# Altium PCB 全兼容主控.PCBDOC (part 3 of 9)
Units mil, origin at the board's own origin, x right, y up, seen from the top; angles counter-clockwise.
Board outline 7562.36 x 15046.55 mil, 2 copper layers (TopLayer, BottomLayer); 375 components, 257 nets, 1094 pads, 839 vias.
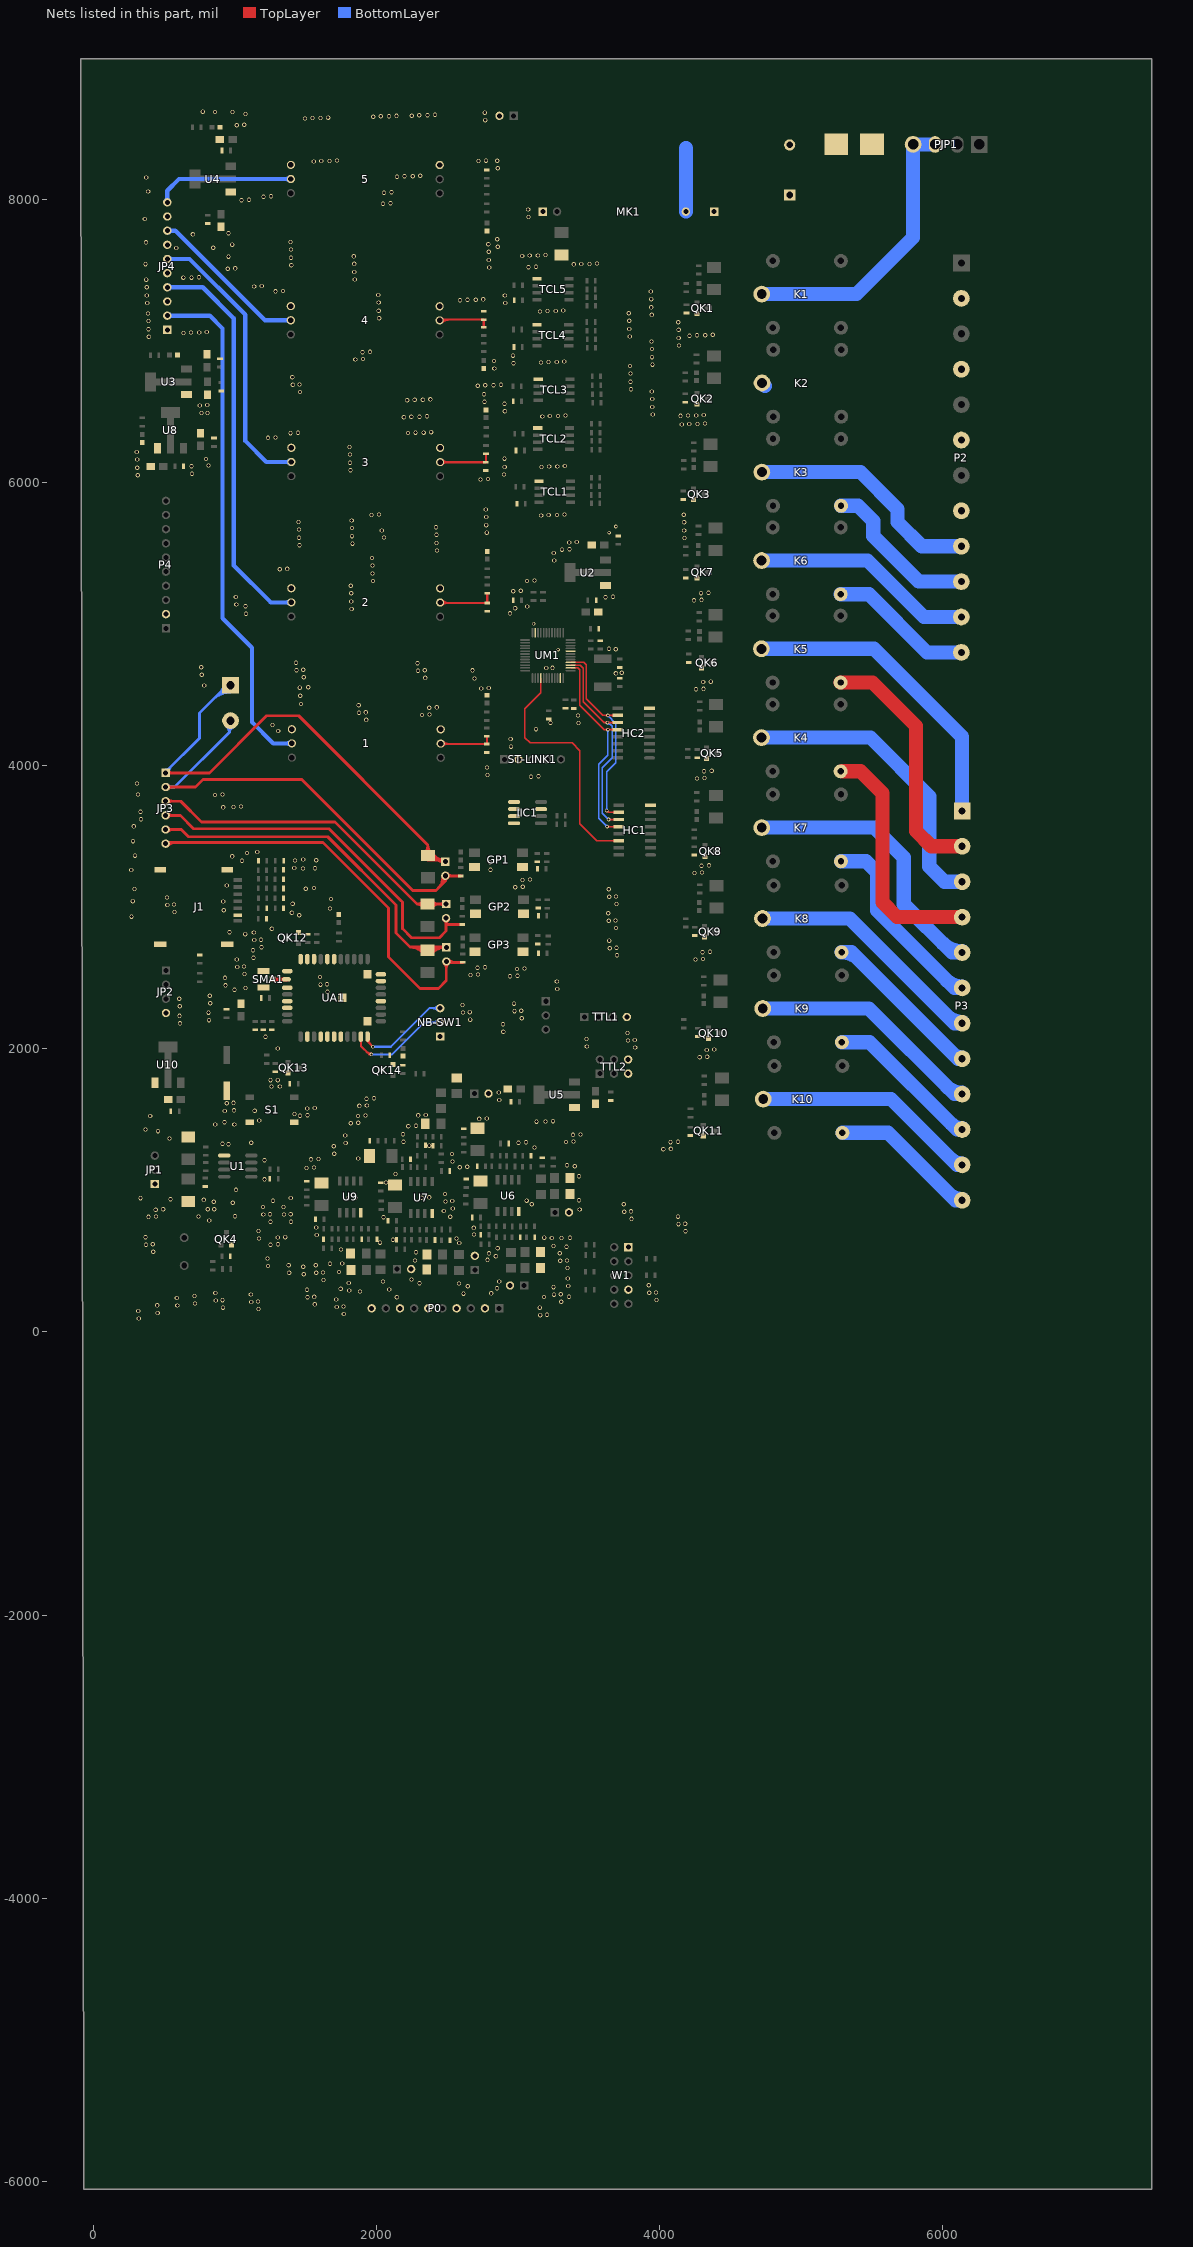
[diagram p3: the nets of this part, all layers, seen from the top]

## Via types
v1: diameter 30, hole 20, TopLayer to BottomLayer, 758 vias
v2: diameter 25, hole 15, TopLayer to BottomLayer, 81 vias

## Nets (pads, with @x,y where several pads share a name; then routed paths per layer and width w, separated by ;. In a path a pad name is that pad's centre, name@x,y a point inside that pad or via, vN(x,y) a via of type N, cw(c..) or ccw(c..) an arc to the next point about the centre after c; other vN are vias at no path point) (continued)
C\L\R\--: HC1.10 HC2.10 UM1.4 | length 2027.5
  TopLayer w10: UM1.4@3371.14,4728.67 3464.61,4728.67 3482.59,4710.69 3482.59,4470.79 3599.9,4353.48 HC2.10@3703.94,4353.48 ; v2(3626.93,3681.69) 3640.09,3668.53 HC1.10@3711.74,3668.53 ; 3616.51,4353.48 cw(c3616.51,4335.38) v2@3629.31,4348.18 ; 3616.51,4353.48 ccw(c3616.51,4371.59) v2@3629.31,4358.79 ; 3616.51,4353.48 cw(c3616.51,4335.38) v2@3629.31,4348.18 ; 3616.51,4353.48 ccw(c3616.51,4371.59) v2@3629.31,4358.79 ; 3616.51,4353.48 cw(c3616.51,4335.38) v2@3629.31,4348.18 ; 3616.51,4353.48 ccw(c3616.51,4371.59) v2@3629.31,4358.79 ; v2@3626.93,3674.19 cw(c3626.93,3656.08) 3639.74,3668.88 ; v2@3626.93,3674.19 cw(c3626.93,3656.08) 3639.74,3668.88 ; v2@3626.93,3674.19 cw(c3626.93,3656.08) 3639.74,3668.88 ; v2@3634.43,3681.69 ccw(c3652.54,3681.69) 3639.74,3668.88 ; v2@3634.43,3681.69 ccw(c3652.54,3681.69) 3639.74,3668.88 ; v2@3634.43,3681.69 ccw(c3652.54,3681.69) 3639.74,3668.88 ; v2@3639.92,4348.18 cw(c3652.72,4335.38) 3652.72,4353.48 ; v2@3639.92,4348.18 cw(c3652.72,4335.38) 3652.72,4353.48 ; v2@3639.92,4348.18 cw(c3652.72,4335.38) 3652.72,4353.48 ; v2@3639.92,4358.79 ccw(c3652.72,4371.59) 3652.72,4353.48 ; v2@3639.92,4358.79 ccw(c3652.72,4371.59) 3652.72,4353.48 ; v2@3639.92,4358.79 ccw(c3652.72,4371.59) 3652.72,4353.48 ; 3661.04,4353.48 cw(c3661.04,4336.58) HC2.10@3672.99,4348.53 ; 3661.04,4353.48 ccw(c3661.04,4370.38) HC2.10@3672.99,4358.43 ; 3661.04,4353.48 cw(c3661.04,4336.58) HC2.10@3672.99,4348.53 ; 3661.04,4353.48 ccw(c3661.04,4370.38) HC2.10@3672.99,4358.43 ; 3661.04,4353.48 cw(c3661.04,4336.58) HC2.10@3672.99,4348.53 ; 3661.04,4353.48 ccw(c3661.04,4370.38) HC2.10@3672.99,4358.43 ; 3668.84,3668.53 cw(c3668.84,3651.63) HC1.10@3680.79,3663.58 ; 3668.84,3668.53 ccw(c3668.84,3685.43) HC1.10@3680.79,3673.48 ; 3668.84,3668.53 cw(c3668.84,3651.63) HC1.10@3680.79,3663.58 ; 3668.84,3668.53 ccw(c3668.84,3685.43) HC1.10@3680.79,3673.48 ; 3668.84,3668.53 cw(c3668.84,3651.63) HC1.10@3680.79,3663.58 ; 3668.84,3668.53 ccw(c3668.84,3685.43) HC1.10@3680.79,3673.48
  BottomLayer w10: v2(3626.93,3681.69) 3626.93,3955.05 3692.09,4020.21 3692.09,4296 v2(3634.61,4353.48) ; v2@3621.63,3686.99 ccw(c3608.83,3699.79) 3626.93,3699.79 ; v2@3621.63,3686.99 ccw(c3608.83,3699.79) 3626.93,3699.79 ; v2@3621.63,3686.99 ccw(c3608.83,3699.79) 3626.93,3699.79 ; 3626.93,3699.79 ccw(c3645.04,3699.79) v2@3632.24,3686.99 ; 3626.93,3699.79 ccw(c3645.04,3699.79) v2@3632.24,3686.99 ; 3626.93,3699.79 ccw(c3645.04,3699.79) v2@3632.24,3686.99 ; v2@3634.61,4345.98 cw(c3634.61,4327.88) 3647.42,4340.68 ; v2@3634.61,4345.98 cw(c3634.61,4327.88) 3647.42,4340.68 ; v2@3634.61,4345.98 cw(c3634.61,4327.88) 3647.42,4340.68 ; v2@3642.11,4353.48 ccw(c3660.22,4353.48) 3647.42,4340.68 ; v2@3642.11,4353.48 ccw(c3660.22,4353.48) 3647.42,4340.68 ; v2@3642.11,4353.48 ccw(c3660.22,4353.48) 3647.42,4340.68
CE: UA1.7
CLK: HC1.11 HC2.11 UM1.3 | length 2033.1
  TopLayer w10: UM1.3@3371.14,4708.99 3440.1,4708.99 3460.61,4688.47 3460.61,4450.92 3608.05,4303.48 HC2.11@3703.94,4303.48 ; v2(3640.21,3618.53) HC1.11@3711.74,3618.53 ; 3613.98,4303.48 cw(c3613.98,4285.38) v2@3626.79,4298.18 ; 3613.98,4303.48 ccw(c3613.98,4321.59) v2@3626.79,4308.79 ; 3613.98,4303.48 cw(c3613.98,4285.38) v2@3626.79,4298.18 ; 3613.98,4303.48 ccw(c3613.98,4321.59) v2@3626.79,4308.79 ; 3613.98,4303.48 cw(c3613.98,4285.38) v2@3626.79,4298.18 ; 3613.98,4303.48 ccw(c3613.98,4321.59) v2@3626.79,4308.79 ; v2@3637.39,4298.18 cw(c3650.2,4285.38) 3650.2,4303.48 ; v2@3637.39,4298.18 cw(c3650.2,4285.38) 3650.2,4303.48 ; v2@3637.39,4298.18 cw(c3650.2,4285.38) 3650.2,4303.48 ; v2@3637.39,4308.79 ccw(c3650.2,4321.59) 3650.2,4303.48 ; v2@3637.39,4308.79 ccw(c3650.2,4321.59) 3650.2,4303.48 ; v2@3637.39,4308.79 ccw(c3650.2,4321.59) 3650.2,4303.48 ; v2@3645.51,3613.23 cw(c3658.31,3600.43) 3658.31,3618.53 ; v2@3645.51,3613.23 cw(c3658.31,3600.43) 3658.31,3618.53 ; v2@3645.51,3613.23 cw(c3658.31,3600.43) 3658.31,3618.53 ; v2@3645.51,3623.84 ccw(c3658.31,3636.64) 3658.31,3618.53 ; v2@3645.51,3623.84 ccw(c3658.31,3636.64) 3658.31,3618.53 ; v2@3645.51,3623.84 ccw(c3658.31,3636.64) 3658.31,3618.53 ; 3661.04,4303.48 cw(c3661.04,4286.58) HC2.11@3672.99,4298.53 ; 3661.04,4303.48 ccw(c3661.04,4320.38) HC2.11@3672.99,4308.43 ; 3661.04,4303.48 cw(c3661.04,4286.58) HC2.11@3672.99,4298.53 ; 3661.04,4303.48 ccw(c3661.04,4320.38) HC2.11@3672.99,4308.43 ; 3661.04,4303.48 cw(c3661.04,4286.58) HC2.11@3672.99,4298.53 ; 3661.04,4303.48 ccw(c3661.04,4320.38) HC2.11@3672.99,4308.43 ; 3668.84,3618.53 cw(c3668.84,3601.63) HC1.11@3680.79,3613.58 ; 3668.84,3618.53 ccw(c3668.84,3635.43) HC1.11@3680.79,3623.48 ; 3668.84,3618.53 cw(c3668.84,3601.63) HC1.11@3680.79,3613.58 ; 3668.84,3618.53 ccw(c3668.84,3635.43) HC1.11@3680.79,3623.48 ; 3668.84,3618.53 cw(c3668.84,3601.63) HC1.11@3680.79,3613.58 ; 3668.84,3618.53 ccw(c3668.84,3635.43) HC1.11@3680.79,3623.48
  BottomLayer w10: v2(3632.09,4303.48) 3637.19,4303.48 3664.84,4275.84 3664.84,4054.49 3594.66,3984.32 3594.66,3664.08 v2(3640.21,3618.53) ; 3627.4,3631.34 cw(c3614.6,3618.53) v2@3632.71,3618.53 ; 3627.4,3631.34 ccw(c3640.21,3644.14) v2@3640.21,3626.03 ; 3627.4,3631.34 cw(c3614.6,3618.53) v2@3632.71,3618.53 ; 3627.4,3631.34 ccw(c3640.21,3644.14) v2@3640.21,3626.03 ; 3627.4,3631.34 cw(c3614.6,3618.53) v2@3632.71,3618.53 ; 3627.4,3631.34 ccw(c3640.21,3644.14) v2@3640.21,3626.03 ; v2@3632.09,4295.98 cw(c3632.09,4265.56) 3653.6,4287.07 ; v2@3632.09,4295.98 cw(c3632.09,4265.56) 3653.6,4287.07 ; v2@3632.09,4295.98 cw(c3632.09,4265.56) 3653.6,4287.07
CSN: UA1.2
DATA_IN: HC1.14 UM1.40 | length 1814.4
  TopLayer w10: UM1.40@3161.49,4617.45 3161.49,4512.89 3049.17,4400.57 3049.17,4195.24 3085.54,4158.88 3382.62,4158.88 3435.77,4105.72 3435.77,3589.33 3556.57,3468.53 HC1.14@3711.74,3468.53 ; 3668.84,3468.53 cw(c3668.84,3451.63) HC1.14@3680.79,3463.58 ; 3668.84,3468.53 ccw(c3668.84,3485.43) HC1.14@3680.79,3473.48 ; 3668.84,3468.53 cw(c3668.84,3451.63) HC1.14@3680.79,3463.58 ; 3668.84,3468.53 ccw(c3668.84,3485.43) HC1.14@3680.79,3473.48 ; 3668.84,3468.53 cw(c3668.84,3451.63) HC1.14@3680.79,3463.58 ; 3668.84,3468.53 ccw(c3668.84,3485.43) HC1.14@3680.79,3473.48
gpio_5: UA1.28
HST_RXD: UA1.25
HST_TXD: UA1.26
I2C1_SCL2: UA1.30
I2C1_SDA2: UA1.29
IN+1: 1.2 JP4.2 | length 3962.9
  BottomLayer w30: JP4.2@523.13,7177.22 822.58,7177.22 913.89,7085.91 913.89,5039.68 1121.77,4831.81 1121.77,4305.97 1271.88,4155.86 1.2@1403.27,4155.86 ; JP4.2@533.4,7166.94 cw(c558.2,7142.14) 558.2,7177.22 ; JP4.2@533.4,7166.94 cw(c558.2,7142.14) 558.2,7177.22 ; JP4.2@533.4,7166.94 cw(c558.2,7142.14) 558.2,7177.22 ; JP4.2@533.4,7187.49 ccw(c558.2,7212.29) 558.2,7177.22 ; JP4.2@533.4,7187.49 ccw(c558.2,7212.29) 558.2,7177.22 ; JP4.2@533.4,7187.49 ccw(c558.2,7212.29) 558.2,7177.22 ; 1369.47,4155.86 cw(c1369.47,4122.06) 1.2@1393.37,4145.96 ; 1369.47,4155.86 ccw(c1369.47,4189.66) 1.2@1393.37,4165.76 ; 1369.47,4155.86 cw(c1369.47,4122.06) 1.2@1393.37,4145.96 ; 1369.47,4155.86 ccw(c1369.47,4189.66) 1.2@1393.37,4165.76 ; 1369.47,4155.86 cw(c1369.47,4122.06) 1.2@1393.37,4145.96 ; 1369.47,4155.86 ccw(c1369.47,4189.66) 1.2@1393.37,4165.76
IN+2: 2.2 JP4.4 | length 3144.4
  BottomLayer w30: JP4.4@523.13,7377.22 773.82,7377.22 993.05,7157.99 993.05,5413.31 1254.48,5151.88 2.2@1399.21,5151.88 ; JP4.4@533.4,7366.94 cw(c558.2,7342.14) 558.2,7377.22 ; JP4.4@533.4,7366.94 cw(c558.2,7342.14) 558.2,7377.22 ; JP4.4@533.4,7366.94 cw(c558.2,7342.14) 558.2,7377.22 ; JP4.4@533.4,7387.49 ccw(c558.2,7412.29) 558.2,7377.22 ; JP4.4@533.4,7387.49 ccw(c558.2,7412.29) 558.2,7377.22 ; JP4.4@533.4,7387.49 ccw(c558.2,7412.29) 558.2,7377.22 ; 1365.41,5151.88 cw(c1365.41,5118.08) 2.2@1389.31,5141.98 ; 1365.41,5151.87 ccw(c1365.41,5185.67) 2.2@1389.31,5161.77 ; 1365.41,5151.88 cw(c1365.41,5118.08) 2.2@1389.31,5141.98 ; 1365.41,5151.87 ccw(c1365.41,5185.67) 2.2@1389.31,5161.77 ; 1365.41,5151.88 cw(c1365.41,5118.08) 2.2@1389.31,5141.98 ; 1365.41,5151.87 ccw(c1365.41,5185.67) 2.2@1389.31,5161.77
IN+3: 3.2 JP4.6 | length 2316.9
  BottomLayer w30: JP4.6@523.13,7577.22 680.51,7577.22 1074.6,7183.13 1074.6,6291.19 1221.96,6143.82 3.2@1399.21,6143.82 ; JP4.6@533.4,7566.94 cw(c558.2,7542.14) 558.2,7577.22 ; JP4.6@533.4,7566.94 cw(c558.2,7542.14) 558.2,7577.22 ; JP4.6@533.4,7566.94 cw(c558.2,7542.14) 558.2,7577.22 ; JP4.6@533.4,7587.49 ccw(c558.2,7612.29) 558.2,7577.22 ; JP4.6@533.4,7587.49 ccw(c558.2,7612.29) 558.2,7577.22 ; JP4.6@533.4,7587.49 ccw(c558.2,7612.29) 558.2,7577.22 ; 1365.41,6143.82 cw(c1365.41,6110.02) 3.2@1389.31,6133.92 ; 1365.41,6143.82 ccw(c1365.41,6177.62) 3.2@1389.31,6153.72 ; 1365.41,6143.82 cw(c1365.41,6110.02) 3.2@1389.31,6133.92 ; 1365.41,6143.82 ccw(c1365.41,6177.62) 3.2@1389.31,6153.72 ; 1365.41,6143.82 cw(c1365.41,6110.02) 3.2@1389.31,6133.92 ; 1365.41,6143.82 ccw(c1365.41,6177.62) 3.2@1389.31,6153.72
IN+4: 4.2 JP4.8 | length 1459.1
  BottomLayer w30: JP4.8@523.13,7777.22 580.17,7777.22 1213.09,7144.3 4.2@1395.55,7144.3 ; JP4.8@533.4,7766.94 cw(c558.2,7742.14) 558.2,7777.22 ; JP4.8@533.4,7766.94 cw(c558.2,7742.14) 558.2,7777.22 ; JP4.8@533.4,7766.94 cw(c558.2,7742.14) 558.2,7777.22 ; JP4.8@533.4,7787.49 ccw(c558.2,7812.29) 558.2,7777.22 ; JP4.8@533.4,7787.49 ccw(c558.2,7812.29) 558.2,7777.22 ; JP4.8@533.4,7787.49 ccw(c558.2,7812.29) 558.2,7777.22 ; 1361.75,7144.3 cw(c1361.75,7110.5) 4.2@1385.65,7134.4 ; 1361.75,7144.3 ccw(c1361.75,7178.1) 4.2@1385.65,7154.2 ; 1361.75,7144.3 cw(c1361.75,7110.5) 4.2@1385.65,7134.4 ; 1361.75,7144.3 ccw(c1361.75,7178.1) 4.2@1385.65,7154.2 ; 1361.75,7144.3 cw(c1361.75,7110.5) 4.2@1385.65,7134.4 ; 1361.75,7144.3 ccw(c1361.75,7178.1) 4.2@1385.65,7154.2
IN+5: 5.2 JP4.10 | length 1313.8
  BottomLayer w30: JP4.10@523.13,7977.22 523.13,8059.41 605.65,8141.93 5.2@1395.98,8141.93 ; JP4.10@512.86,7987.49 ccw(c488.06,8012.29) 523.13,8012.29 ; JP4.10@512.86,7987.49 ccw(c488.06,8012.29) 523.13,8012.29 ; JP4.10@512.86,7987.49 ccw(c488.06,8012.29) 523.13,8012.29 ; 523.13,8012.29 ccw(c558.2,8012.29) JP4.10@533.4,7987.49 ; 523.13,8012.29 ccw(c558.2,8012.29) JP4.10@533.4,7987.49 ; 523.13,8012.29 ccw(c558.2,8012.29) JP4.10@533.4,7987.49 ; 1362.18,8141.93 cw(c1362.18,8108.13) 5.2@1386.08,8132.03 ; 1362.18,8141.93 ccw(c1362.18,8175.73) 5.2@1386.08,8151.83 ; 1362.18,8141.93 cw(c1362.18,8108.13) 5.2@1386.08,8132.03 ; 1362.18,8141.93 ccw(c1362.18,8175.73) 5.2@1386.08,8151.83 ; 1362.18,8141.93 cw(c1362.18,8108.13) 5.2@1386.08,8132.03 ; 1362.18,8141.93 ccw(c1362.18,8175.73) 5.2@1386.08,8151.83
IN-1: 1.1 1.4 2.1 2.4 3.1 3.4 4.1 4.4 5.1 5.4 C1.1 C2.1 C3.1 C4.1 C5.1 C6.2 C7.1 C8.2 C9.2 C10.2 CD1.1 CD2.1 CD3.1 CD4.2 CJ1.2 CJ2.1 CJ3.2 CJ4.1 CJ5.2 CJ6.1 CK1.1 CP1.2 CP2.1 CP3.2 CP4.2 CP5.1 CP6.1 CP7.2 CP8.1 CP9.2 CP10.1 CP11.2 CP12.1 CS1.2 Cu1.2 Cu2.1 Cu3.2 Cu4.1 Cu5.2 Cu6.1 Cu7.2 Cu8.2 Cu9.1 Cu10.2 CU11.2 CU12.2 CU13.2 CU14.2 Cu15.2 CU16.2 CU17.2 CU18.2 Cu19.2 CU20.2 Cu21.2 Cu22.2 Cu23.2 Cu24.2 Cu25.2 Cu26.2 Cu27.2 Cu28.1 Cu29.2 Cu30.1 CX1.1 CX2.1 CX3.1 CX4.1 CX5.1 CY1.1 CY2.1 CY3.1 CY4.1 CY5.1 D1.1 D2.1 D3.1 D4.1 D5.1 D6.2 D7.2 DL1.2 DL2.2 DL6.2 DL10.2 DL11.2 DL15.2 DL17.2 DL18.2 DZ1.1 GP1.2 GP1.3 GP2.2 GP2.3 GP3.2 GP3.3 HC1.8 HC2.8 IIC1.1 IIC1.2 IIC1.3 IIC1.4 IIC1.7 J1.2 JP1.1 JP2.4 JP4.1 JP4.3 JP4.5 JP4.7 JP4.9 MK1.4 NB-SW1.1 P0.2 P0.4 P0.6 P0.8 P0.10 P1.2 P4.2 PT2.2 PT3.2 PT4.2 PT5.2 PT6.2 QK1.3 QK2.3 QK3.3 QK4.3 QK5.3 QK6.3 QK7.3 QK8.3 QK9.3 QK10.3 QK11.3 QK12.3 QK13.3 QK14.3 R5.1 RE1.1 RE2.1 RE3.1 RE4.1 RE5.1 RE6.1 RE7.1 RE8.1 RE9.1 RE10.1 RI1.2 RI2.2 RI3.2 RI4.2 RI5.2 RI6.2 RI7.2 RI8.2 RI9.2 RI10.2 RI11.2 RI12.2 RI13.2 RI14.2 RL1.1 RL2.1 RL3.1 RL4.1 RL5.1 RN1.2 RN2.2 RN3.2 RN4.2 RN5.2 RU2.1 RZ2.1 S1.2 SMA1.1 ST-LINK1.2 TCL1.5 TCL2.5 TCL3.5 TCL4.5 TCL5.5 TTL1.4 TTL2.5 TTL2.6 TVS1.1 TVS2.1 U1.5 U2.1 U3.1 U4.1 U5.1 U6.4 U7.4 U8.1 U9.4 U10.1 UA1.15 UA1.31 UA1.33 UA1.35 UA1.36 UA1.39 UA1.40 UA1.41 UM1.8 UM1.23 UM1.47 VR1.2 VR2.2 VR3.2 VR4.2 VR5.2 W1.1 W1.7
  other v1: 321.18,94.49 3157.27,117.88 3204.73,120.75 1770.2,125.7 455.07,133.97 317.86,147.53 1167.42,161.32 916.71,170.91 3153.96,170.92 1719.42,175.88 1766.88,178.75 594.1,185.47 451.75,187.01 1564.7,194.2 719.41,200.91 1116.64,211.49 3305.41,212.63 1164.1,214.37 865.94,221.08 913.4,223.96 3977.55,225.64 1716.11,228.92 590.79,238.51 1513.93,244.37 2144.48,244.84 3183.69,246.91 1561.39,247.25 3360.02,247.78 716.09,253.96 3254.64,262.8 1113.33,264.54 3302.1,265.68 2615.47,269.75 2811.51,271.96 862.62,274.13 3926.78,275.81 3974.24,278.69 1884.58,285.76 1808.45,292.62 1510.61,297.42 2090.23,298.89 1747.4,304.8 2851.16,307.8 3251.32,315.85 2644.91,321.83 3354.45,323.51 3923.46,328.86 2582.64,341.08 2303.98,342.9 1805.13,345.66 2867.93,355.07 2047.46,356.25 1626.35,366.82 2247.94,368.87 3351.14,376.55 1486.69,406.9 1575.58,416.99 1383.7,417.19 1623.04,419.86 1736.29,421.83 3349.57,451.52 1483.37,459.94 1234.36,465.26 1572.26,470.03 1380.38,470.24 1671.8,480.51 1758.37,482.83 3298.8,501.69 2272.42,504.15 3346.25,504.57 2785.39,508.34 1231.05,518.3 2843.71,533.74 2794.79,554.25 3295.48,554.74 2279.91,562.16 423.53,565.46 1750.82,581.6 2856.37,590.24 3342.61,601.31 3251.22,605.53 1252.72,614.81 372.76,615.63 420.21,618.51 1305.76,618.12 2584.77,626.62 2024.61,630.02 2116.99,650.35 1170.85,659.22 2565.79,659.66 3239.27,662.47 3308.17,663.17 3366.51,664.58 1302.89,665.58 3185.14,665.28 369.44,668.68 1355.93,668.9 1578.84,684.06 2690.06,686.95 4183.81,710.4 1167.53,712.27 2687.44,734.53 1575.52,737.1 4133.04,760.57 4180.5,763.44 1252.35,777.81 1397.57,777.81 819.21,785.78 3800.9,797.92 2049.59,808.97 390.65,812.05 2522.05,812.88 742.99,813.86 4129.73,813.61 443.7,815.37 1001.73,816.91 1201.58,827.98 1346.8,827.98 1249.04,830.85 1394.25,830.85 3750.12,848.09 3797.58,850.97 2476.42,853.1 440.82,862.83 3435.41,863.53 808.64,865.39 493.87,866.14 854.98,866.33 2538.92,870.44 1198.26,881.02 1343.48,881.02 3097.7,901.12 3746.81,901.14 985.69,912.14 851.67,919.38 2488.14,920.61 2535.6,923.48 1268.98,925.4 3061.12,926.64 3430.49,928.91 781.1,932.2 546.43,936.21 333.82,944.24 1394.55,944.95 1798.89,944.3 2319.7,946.56 1851.93,947.61 2372.74,949.88 2484.83,973.65 1008.12,1002.96 2067.78,1054.54 1210.58,1076.96 3431.78,1098.52 2135.06,1115.63 1506.78,1157.15 1559.82,1160.46 2589.02,1162.26 2642.06,1165.58 3401.21,1169.85 3346.87,1176.64 2537.98,1202.24 1208.87,1211.36 1538.48,1218.29 1591.53,1221.6 1871.37,1223.89 2534.66,1255.29 1702.06,1257.75 4026.69,1289.07 4079.74,1292.39 3116.41,1301.77 1698.75,1310.79 2372.72,1315.09 955.39,1325.35 912.85,1327.9 1782.91,1333.67 1116.16,1335.56 3002.97,1335.88 3056.01,1339.2 4076.86,1339.84 3338.36,1340.58 2191.85,1342.6 3391.41,1343.89 4129.91,1343.16 538.41,1365.44 1779.59,1386.72 3388.53,1391.35 3441.58,1394.67 2188.53,1395.64 458.18,1417.59 369.92,1429.63 2225.8,1452.48 2278.85,1455.79 861.83,1463.96 996.68,1464.73 1819.19,1473.6 1872.24,1476.91 927.52,1479.77 3130.02,1484.65 3194.36,1484.74 3247.41,1488.06 1172.23,1491.81 2726.51,1504.31 2779.56,1507.62 402.02,1523.9 1869.36,1524.37 1461.07,1526.33 1922.41,1527.68 2295.66,1528.91 1514.12,1529.65 2348.7,1532.23 1420.94,1537.94 929.24,1560.05 1140.13,1562.01 993.79,1564.36 1511.24,1577.11 1564.29,1580.42 1879.59,1596.09 1932.63,1599.4 943.02,1614.53 990.48,1617.41 2867.94,1636.61 1929.76,1646.86 1982.8,1650.18 2864.62,1689.66 1318.28,1732.09 1258.61,1733.64 1252.42,1777.83 1302.79,1777.83 4282.98,1939.57 4336.03,1942.89 4333.15,1990.34 4386.2,1993.66 1303.57,2001.8 3827.5,2008.03 3486.5,2014.71 3776.73,2058.2 3824.18,2061.07 3483.18,2067.76 1215.99,2084.72 3773.41,2111.24 2896.81,2119.01 2893.49,2172.06 613.15,2178.85 817.08,2201.51 2663.04,2204.88 3026.06,2214.82 609.84,2231.89 813.76,2254.55 2612.27,2255.05 2659.72,2257.92 2975.29,2264.99 3022.75,2267.87 611.27,2299.69 2608.95,2308.09 2971.97,2318.04 826.52,2320.46 607.95,2352.74 823.2,2373.51 1655.19,2402.14 997.98,2415.7 3277.9,2421.88 1074.7,2428.03 934.91,2447.11 1604.42,2452.31 1651.87,2455.18 3274.58,2474.92 931.59,2500.15 1601.1,2505.35 2943.4,2511.82 2996.45,2515.14 2664.42,2520.94 2717.47,2524.25 1068.39,2527.2 2993.57,2562.59 3046.62,2565.91 2714.59,2571.71 2767.64,2575.03 1017.62,2577.37 1065.07,2580.24 1014.3,2630.41 4253.13,2630.21 4306.18,2633.52 1132.63,2642.63 3698.79,2659.62 4303.3,2680.98 4356.35,2684.3 1129.31,2695.67 3648.01,2709.79 3695.47,2712.67 1188.52,2716.74 3644.7,2762.84 1137.75,2766.91 1185.21,2769.79 1073.33,2808.88 1134.43,2819.96 962.36,2822.58 1261.62,2847.49 3691.49,2852.91 3640.72,2903.08 3688.18,2905.95 269.83,2932.36 1455.09,2942.77 3637.4,2956.12 1402.8,2960.2 574.5,2965.02 921.93,2977.99 1672.97,2989.83 523.73,3015.19 571.19,3018.07 3695.14,3022.48 1408.61,3024.11 918.74,3039.8 278.66,3041.88 1678.78,3057.81 520.41,3068.24 3644.37,3072.65 3691.82,3075.53 3641.05,3125.7 291.99,3127.9 1500.99,3129.27 1559.67,3133.92 2980.98,3140.29 3034.02,3143.6 943.25,3152.78 3031.15,3191.06 3084.19,3194.38 4245.93,3240.56 4298.97,3243.88 268.06,3262.68 2805.82,3263.47 1481.82,3272.19 1566.64,3274.52 1420.23,3275.68 4296.1,3291.34 4349.14,3294.65 2802.5,3316.52 1050.9,3327.57 1425.46,3329.13 1575.36,3330.87 1483.56,3335.52 981.58,3358.18 294.56,3363.36 1086.74,3382 1158.54,3389.39 280.42,3465.81 285.72,3570.02 336.99,3620.55 333.68,3673.59 918.6,3704.4 989.94,3706.51 1042.98,3709.82 859.55,3791.53 315.75,3794.35 912.59,3794.84 308.69,3872.07 4264.45,3908.56 4317.5,3911.88 3091.06,3920.29 3144.11,3923.61 2784.81,3933.51 4314.62,3959.33 4367.67,3962.65 2781.49,3986.56 2951.55,4133.19 2948.23,4186.24 1306.03,4242.73 3127.76,4256.76 1266.92,4285.96 3426.96,4300.08 3228.99,4301.75 1928.7,4322.29 3423.65,4353.13 2322.72,4356.5 2375.77,4359.82 1877.93,4372.46 1925.38,4375.34 2372.89,4407.27 2425.94,4410.59 1874.61,4425.51 1467.86,4435.17 1461.88,4492.84 4257.66,4538.06 4310.71,4541.38 2740.35,4544.22 2793.39,4547.53 1458.13,4549.77 1518.8,4552.76 784.18,4565.78 4307.83,4588.83 4360.88,4592.15 2692.4,4613.66 2344.6,4619.07 1486.69,4622.72 766.1,4641.01 3691.18,4650.69 3733.4,4655.37 2293.83,4669.24 2677.96,4671.89 1435.92,4672.89 2341.29,4672.12 1483.37,4675.76 3199.94,4688.5 3243.64,4689.47 762.78,4694.06 2290.52,4722.29 1432.6,4725.93 3690.67,4820.55 3643.61,4824.87 1079.34,5071.14 2943.54,5074.55 1825.17,5105.76 2979.96,5110.34 3065.5,5123.53 1076.03,5124.18 1010.8,5137.6 1821.85,5158.81 4242.94,5166.43 4295.99,5169.74 3617.81,5188.28 1007.49,5190.64 3670.85,5191.59 1821.85,5216.82 4293.11,5217.2 4346.16,5220.52 2966.01,5231.05 3019.05,5234.37 1818.53,5269.87 1975.2,5302.12 3063.02,5303.46 3116.07,5306.78 1971.88,5355.17 1317.07,5385.6 1370.12,5388.91 1971.88,5413.19 3256.48,5447.6 1968.57,5466.23 3253.16,5500.64 2427.49,5519 3311.35,5524.51 3364.4,5527.83 1456.71,5555.85 1831.78,5566.88 2424.18,5572.04 3361.52,5575.28 3414.57,5578.6 4176.8,5607.2 1453.39,5608.9 2054.39,5609.38 1828.47,5619.93 2424.18,5630.06 2779.08,5644.49 2038.34,5659.52 4173.49,5660.24 1453.39,5666.92 1828.47,5677.95 2420.86,5683.11 2775.76,5697.54 4173.49,5718.26 1450.08,5719.96 1825.15,5730.99 2775.76,5755.56 3163.65,5765.5 3216.69,5768.82 3274.71,5768.82 1964.68,5769.22 4170.17,5771.31 2017.72,5772.53 3327.76,5772.13 2772.44,5808.6 2735.69,6020.17 2788.74,6023.49 314.31,6050.03 2901.64,6054.88 697.01,6060.85 1816.34,6085.37 311,6103.08 2905.89,6107.62 3166.96,6108.63 3220.01,6111.95 3278.03,6111.95 693.69,6113.89 3331.07,6115.27 814.28,6118.95 1813.02,6138.42 311,6161.1 797.23,6164.78 2905.04,6167.17 1813.03,6196.44 307.68,6214.14 1809.71,6249.48 1233.99,6314.01 1287.04,6317.32 1393.92,6347.24 2222.66,6347.56 1446.97,6350.55 2275.7,6350.88 2333.72,6350.88 2386.76,6354.19 4156.57,6409.12 4209.61,6412.44 4267.63,6412.44 4320.67,6415.75 2193.92,6460.06 2246.97,6463.37 2304.99,6463.37 3172.05,6465.29 2358.03,6466.69 3225.09,6468.6 3283.11,6468.6 4148.35,6469.4 3336.15,6471.92 4201.39,6472.72 4259.41,6472.72 4312.45,6476.03 3951.74,6478.1 764.41,6488.87 807.68,6488.87 2907.23,6502.07 3948.43,6531.14 751.93,6542.16 804.98,6545.47 2903.91,6555.11 2763.47,6569.27 2217.13,6579.41 2270.18,6582.72 2328.19,6582.72 2381.24,6586.04 3948.43,6589.16 2760.15,6622.31 1460.63,6638.64 3945.11,6642.21 3797.62,6656.81 2716.08,6682.18 2769.13,6685.5 2827.15,6685.5 1409.86,6688.81 2880.19,6688.81 1457.31,6691.69 3794.31,6709.86 1406.54,6741.86 3794.31,6767.87 2833.22,6804.04 3790.99,6820.92 3949.86,6831.11 2967.62,6841.47 3162.46,6846.14 3215.5,6849.45 3273.52,6849.45 3326.56,6852.77 2829.91,6857.09 1851.5,6867.37 1904.55,6870.68 3946.54,6884.16 2964.31,6894.52 1901.67,6918.14 1954.72,6921.46 3946.55,6942.17 4138.06,6966.28 3943.23,6995.22 4134.74,7019.33 392.98,7028.51 3788.8,7029.68 4211.36,7035.19 4264.41,7038.51 4322.43,7038.51 4375.47,7041.82 638.08,7055.37 691.12,7058.69 749.14,7058.69 802.18,7062 4134.74,7077.35 389.66,7081.55 3785.48,7082.72 4131.43,7130.39 389.67,7139.57 3785.48,7140.74 2019.32,7158.3 3944.89,7182.74 386.35,7192.61 3782.17,7193.79 3155.61,7206.44 3208.65,7209.75 3266.67,7209.75 2016.01,7211.35 3319.71,7213.07 3941.58,7235.78 2910.63,7266.79 381.38,7267.21 2016.01,7269.36 2590.1,7285.56 2643.15,7288.88 2701.17,7288.88 2754.21,7292.2 3941.58,7293.8 2907.31,7319.83 378.06,7320.25 2012.69,7322.41 3938.26,7346.84 1287.74,7348.58 1340.78,7351.9 378.06,7378.27 1136.69,7382.91 1189.73,7386.23 374.75,7431.31 1847.23,7431.89 636.74,7445.51 694.76,7445.51 747.81,7448.82 1843.91,7484.93 949.66,7507.85 1002.7,7511.17 2797.31,7517.63 3074.91,7519.22 3127.95,7522.54 1399.35,7533.38 3393.98,7539.34 369.77,7540.72 1843.91,7542.95 3447.02,7542.65 3505.04,7542.65 3558.09,7545.97 2793.99,7570.68 1396.03,7586.42 955.66,7593.89 1840.6,7595.99 3029.38,7598.86 3082.42,7602.18 3140.44,7602.18 3193.49,7605.49 2793.99,7628.7 1396.03,7644.44 586.28,7654.25 847.91,7656.88 2856.83,7663.58 981.94,7678.52 2790.68,7681.74 373.09,7694.88 1392.71,7697.49 2853.51,7716.62 703.7,7751.36 955.66,7759.65 364.8,7858.99 3075.06,7874.58 3071.75,7927.63 2046.3,7967.07 2099.35,7970.39 1047.9,7992.2 1100.94,7995.52 1203.26,8017.34 1256.3,8020.65 2053.16,8044.75 2106.2,8048.07 388.01,8054.59 374.75,8152.39 2146.02,8158.65 2199.06,8161.97 2257.08,8161.96 2310.13,8165.28 2856.91,8218.11 1557.06,8266.23 2721.77,8268.48 1610.1,8269.55 1668.12,8269.54 2774.82,8271.79 2853.6,8271.15 1721.16,8272.86 1013.63,8522.25 1066.67,8525.57 2769.06,8557.92 1495.06,8568.92 1548.1,8572.23 1606.12,8572.23 1659.17,8575.55 1978.26,8581.68 2031.31,8585 2089.33,8585 2142.37,8588.31 2249.95,8588.97 2303,8592.29 2361.02,8592.29 2414.06,8595.6 1075.04,8601.56 2765.74,8610.97 860.95,8614.94 984.46,8614.94 773.46,8618.03